# KiCad board CPU.kicad_pcb (continued)
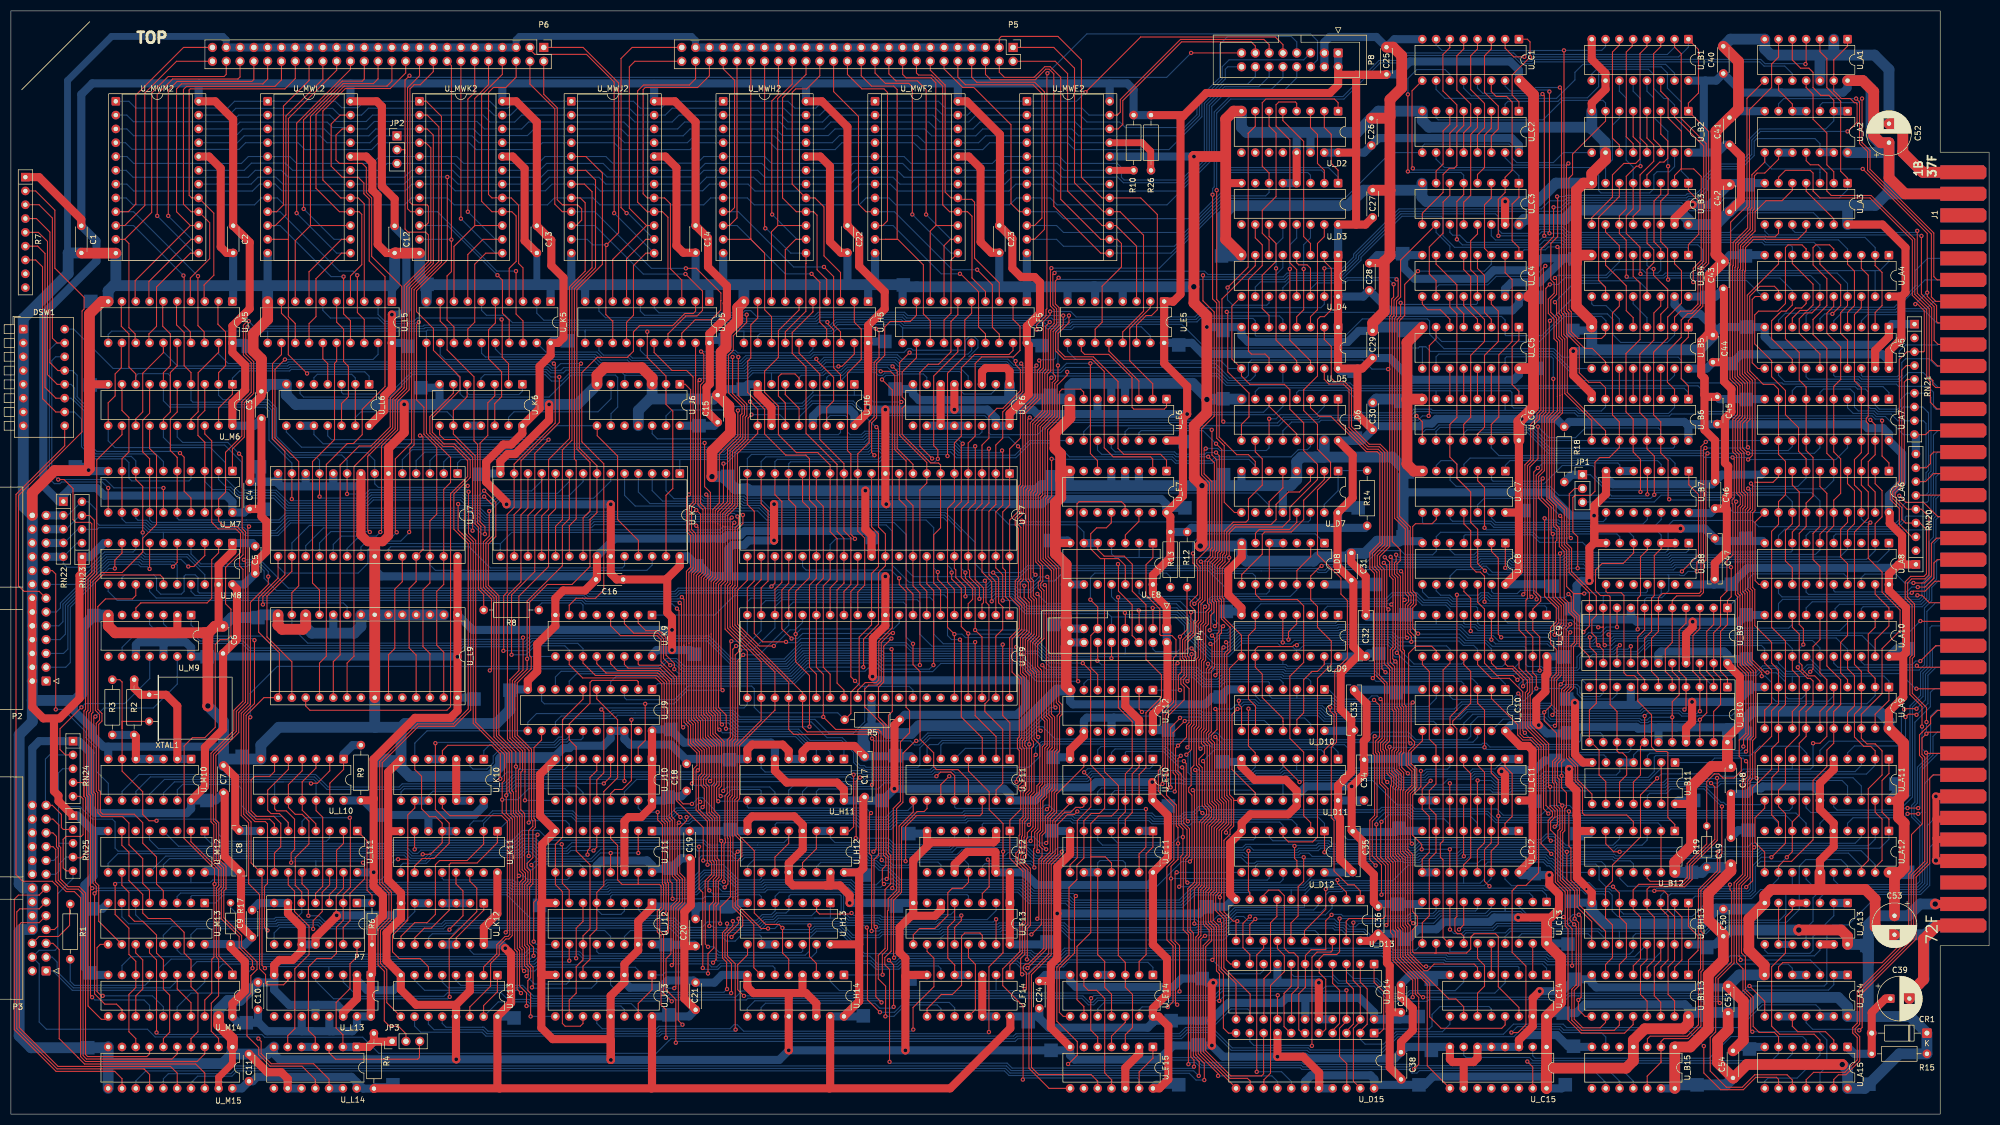
[diagram p0: board, top side]
## Nets (continued)
Address.A_{14}: U_A3.9 U_A7.13 U_B9.6 U_B10.6 U_C4.5 U_C6.12
Address.A_{15}: U_A7.11 U_B9.7 U_B10.7 U_C4.11 U_C6.11 U_C8.3
DataF.D_{0}: P4.12 U_A11.17 U_BL13.12 U_C9.3 U_C13.3 U_D11.12 U_F9.36 U_K7.5
DataF.D_{1}: P4.10 U_A11.13 U_BL13.11 U_C9.4 U_C13.8 U_D11.5 U_F9.37 U_K7.4
DataF.D_{2}: P4.8 U_A11.7 U_BL13.10 U_C9.7 U_C13.7 U_D11.4 U_F9.38 U_K7.3
DataF.D_{3}: P4.6 U_A11.3 U_BL13.9 U_C9.8 U_C13.4 U_F9.39 U_K7.2
DataF.D_{4}: P4.3 U_A12.17 U_BH13.12 U_C9.13 U_C13.13 U_D9.4 U_F7.36 U_J7.5
DataF.D_{5}: P4.5 U_A12.13 U_BH13.11 U_C9.14 U_C13.14 U_D9.5 U_F7.37 U_J7.4
DataF.D_{6}: P4.7 U_A12.7 U_BH13.10 U_C9.17 U_C13.17 U_D9.13 U_F7.38 U_J7.3
DataF.D_{7}: P4.9 U_A12.3 U_BH13.9 U_C9.18 U_C13.18 U_D9.12 U_F7.39 U_J7.2
DataP.D_{0}: U_A4.9 U_A6.9 U_A9.9 U_A11.18 U_BH13.5 U_BL13.5 U_C11.11 U_C12.6 U_D13.12 U_F9.25 U_H14.9 U_M6.3 U_M7.3 U_M7.18
DataP.D_{1}: U_A4.7 U_A6.7 U_A9.7 U_A11.12 U_BH13.6 U_BL13.6 U_C11.12 U_C12.5 U_D13.15 U_F9.24 U_H14.7 U_M6.5 U_M7.5 U_M7.16
DataP.D_{2}: U_A4.5 U_A6.5 U_A9.5 U_A11.8 U_BH13.7 U_BL13.7 U_C11.14 U_C12.3 U_D13.16 U_F9.23 U_H14.5 U_M6.9 U_M7.9 U_M7.12
DataP.D_{3}: U_A4.3 U_A6.3 U_A9.3 U_A11.2 U_BH13.4 U_BL13.4 U_C11.13 U_C12.4 U_D13.19 U_F9.22 U_H14.3 U_M6.7 U_M7.7 U_M7.14
DataP.D_{4}: U_A4.18 U_A6.18 U_A7.3 U_A7.18 U_A9.18 U_A12.18 U_BH13.3 U_BL13.3 U_C11.6 U_C12.11 U_D13.9 U_F7.25 U_M6.14 U_M14.12
DataP.D_{5}: U_A4.16 U_A6.16 U_A7.5 U_A7.16 U_A9.16 U_A12.12 U_BH13.2 U_BL13.2 U_C11.5 U_C12.12 U_D13.6 U_F7.24 U_M6.12 U_M14.14
DataP.D_{6}: U_A4.14 U_A6.14 U_A7.7 U_A7.14 U_A9.14 U_A12.8 U_BH13.1 U_BL13.1 U_C11.3 U_C12.14 U_D13.5 U_F7.23 U_M6.16 U_M14.16
DataP.D_{7}: U_A4.12 U_A6.12 U_A7.9 U_A7.12 U_A9.12 U_A12.2 U_BH13.15 U_BL13.15 U_C11.4 U_C12.13 U_D13.2 U_F7.22 U_M6.18 U_M14.18
FP.RTI: P3.25 RN24.2 RN25.2 U_M9.11
FP.~{ABT}: R1.2 U_M14.7
FP.~{HALT}: P3.1 U_M14.3
FP.~{RUN}: P3.3 U_M14.5 U_M14.17
MW.A6_{0}: U_F7.3 U_F9.3 U_K5.19
MW.A6_{1}: U_F7.2 U_F9.2 U_K5.16
MW.A6_{2}: U_F7.1 U_F9.1 U_K5.12
MW.A6_{3}: U_F6.14 U_H6.14 U_K5.15
MW.A6_{4}: U_F6.2 U_H6.2 U_K5.6
MW.A6_{5}: U_D10.2 U_K5.9
MW.A6_{6}: U_K5.5 U_K6.12
MW.A6_{7}: U_C14.1 U_K5.2
MW.B5_{0}: U_F5.19 U_F7.5 U_F9.5
MW.B5_{1}: U_F5.16 U_F7.7 U_F9.7 U_H6.1 U_J6.13
MW.B5_{2}: U_F5.12 U_F7.6 U_F9.6
MW.B5_{3}: U_F5.15 U_F7.17 U_F9.17 U_F11.13 U_M13.13
MW.B5_{4}: U_F5.6 U_F7.18 U_F9.18 U_F11.1 U_M13.1
MW.B5_{5}: U_F5.9 U_F7.19 U_F9.19 U_F11.2 U_M13.2
MW.B5_{6}: U_F5.5 U_F7.20 U_F9.20 U_F11.3 U_M13.3
MW.B5_{7}: U_F5.2 U_F7.4 U_F9.4
MW.C4_{0}: U_H5.19 U_J6.5 U_K6.4
MW.C4_{1}: U_H5.16 U_J13.1 U_J13.15 U_K13.1 U_K13.15
MW.C4_{2}: U_F7.12 U_F9.12 U_H5.12
MW.C4_{3}: U_F7.13 U_F9.13 U_H5.15
MW.C4_{4}: U_F7.14 U_F9.14 U_H5.6
MW.C4_{5}: U_F7.26 U_F9.26 U_H5.9
MW.C4_{6}: U_F7.28 U_F9.28 U_H5.5
MW.C4_{7}: U_F7.27 U_F9.27 U_H5.2
MW.D3_{0}: U_J10.9 U_L5.19 U_L9.13
MW.D3_{1}: U_L5.16 U_L9.11
MW.D3_{2}: U_L5.12 U_L9.9
MW.D3_{3}: U_L5.15 U_L6.4
MW.D3_{4}: U_J7.26 U_K7.26 U_L5.6 U_L9.26
MW.D3_{5}: U_L5.9 U_L6.1
MW.D3_{6}: U_L5.5 U_L6.12
MW.D3_{7}: U_K6.2 U_L5.2
MW.E2_{0}: U_J12.14 U_K7.13 U_K9.11 U_M5.19 U_M6.17
MW.E2_{1}: U_J12.2 U_K7.11 U_K9.10 U_M5.16 U_M6.15
MW.E2_{2}: U_J11.7 U_K7.9 U_K9.9 U_M5.12 U_M6.11
MW.E2_{3}: U_J11.11 U_K7.7 U_M5.15 U_M6.13
MW.E2_{4}: U_J7.13 U_J11.10 U_J13.14 U_M5.6 U_M6.6
MW.E2_{5}: U_J7.11 U_J10.7 U_J13.2 U_M5.9 U_M6.8
MW.E2_{6}: U_J7.9 U_J10.11 U_K13.14 U_M5.5 U_M6.4
MW.E2_{7}: U_J7.7 U_J10.10 U_K13.2 U_M5.2 U_M6.2
MW.F1_{0}: U_J5.19 U_K11.2 U_K12.8
MW.F1_{1}: U_H13.12 U_J5.16 U_K11.3
MW.F1_{2}: U_H11.1 U_J5.12
MW.F1_{3}: U_H11.2 U_J5.15
MW.F1_{4}: U_H11.3 U_J5.6
MW.F1_{5}: U_E7.1 U_J5.9
MW.F1_{6}: U_E7.2 U_J5.5
MW.F1_{7}: U_J5.2 U_K9.7
MW.H0_{4}: U_E5.10 U_E6.1
MW.H0_{5}: U_E5.2 U_E6.2
MW.H0_{6}: U_E5.12 U_E6.3
MW.H0_{7}: U_E5.15 U_K11.1 U_K12.9
MWS.A_{0}: P8.8 U_K7.18 U_MWE2.8 U_MWF2.8 U_MWH2.8 U_MWJ2.8 U_MWK2.8 U_MWL2.8 U_MWM2.8
MWS.A_{1}: P8.10 U_K7.19 U_MWE2.7 U_MWF2.7 U_MWH2.7 U_MWJ2.7 U_MWK2.7 U_MWL2.7 U_MWM2.7
MWS.A_{2}: P8.12 U_K7.20 U_MWE2.6 U_MWF2.6 U_MWH2.6 U_MWJ2.6 U_MWK2.6 U_MWL2.6 U_MWM2.6
MWS.A_{3}: P8.14 U_K7.21 U_MWE2.5 U_MWF2.5 U_MWH2.5 U_MWJ2.5 U_MWK2.5 U_MWL2.5 U_MWM2.5
MWS.A_{4}: P8.16 U_J7.18 U_MWE2.4 U_MWF2.4 U_MWH2.4 U_MWJ2.4 U_MWK2.4 U_MWL2.4 U_MWM2.4
MWS.A_{5}: P8.5 U_J7.19 U_MWE2.3 U_MWF2.3 U_MWH2.3 U_MWJ2.3 U_MWK2.3 U_MWL2.3 U_MWM2.3
MWS.A_{6}: P8.7 U_J7.20 U_MWE2.2 U_MWF2.2 U_MWH2.2 U_MWJ2.2 U_MWK2.2 U_MWL2.2 U_MWM2.2
MWS.A_{7}: P8.9 U_J7.21 U_MWE2.1 U_MWF2.1 U_MWH2.1 U_MWJ2.1 U_MWK2.1 U_MWL2.1 U_MWM2.1
MWS.A_{8}: P8.11 U_L9.18 U_MWE2.23 U_MWF2.23 U_MWH2.23 U_MWJ2.23 U_MWK2.23 U_MWL2.23 U_MWM2.23
MWS.A_{9}: P8.13 U_L9.19 U_MWE2.22 U_MWF2.22 U_MWH2.22 U_MWJ2.22 U_MWK2.22 U_MWL2.22 U_MWM2.22
MWS.A_{10}: JP2.2 P8.15 U_L9.20
P7_1: P7.1 R6.2 U_L11.1
P7_2: P7.2 U_L11.5 U_L14.4 U_L14.5
P7_3: P7.3 U_L11.2
P7_4: P7.4 U_L10.12 U_M10.11
P7_5: P7.5 R17.1 U_L10.4 U_L10.10
P7_8: P7.8 U_L11.14
P7_13: P7.13 U_L10.2 U_L10.9 U_L11.13 U_M10.12
Res.D_{0}: U_B3.3 U_B4.3 U_B9.15 U_C9.2 U_D15.15
Res.D_{1}: U_B3.13 U_B4.13 U_B9.13 U_C9.5 U_D15.13
Res.D_{2}: U_B3.10 U_B4.6 U_B9.11 U_C9.6 U_D15.11
Res.D_{3}: U_B3.6 U_B4.10 U_B9.9 U_C9.9 U_D15.9
Res.D_{4}: U_B10.15 U_C3.3 U_C4.3 U_C9.12 U_D14.15 U_J10.15
Res.D_{5}: U_B10.13 U_C3.13 U_C4.13 U_C9.15 U_D14.13 U_J11.4 U_J11.15
Res.D_{6}: U_B10.11 U_C3.10 U_C4.6 U_C9.16 U_D14.11 U_J12.4
Res.D_{7}: U_B10.9 U_C3.6 U_C4.10 U_C9.19 U_D14.9 U_J12.12
SEQ.S1_{1}: U_J7.17 U_K6.8
SEQ.S2_{1}: U_K6.6 U_L9.17
SEQ.SH_{0}: U_J7.16 U_K6.3 U_L9.16
SEQ.~{FE}: U_J6.8 U_J7.25 U_K7.25 U_L9.25
SEQ.~{RE}: U_E6.9 U_J7.1 U_K7.1
VERIFY_CR1: C39.1 CR1.2 R15.2 U_A15.1
Net-(J1-Pin_30): J1.30 J1.33 J1.66 J1.67 J1.68 J1.69
Net-(JP1-A): JP1.1 R18.2 U_B7.4
Net-(JP1-B): JP1.3 R19.2 U_B12.12
Net-(JP2-A): JP2.1 R26.2 U_MWE2.21 U_MWF2.21 U_MWH2.21 U_MWJ2.21 U_MWK2.21 U_MWL2.21 U_MWM2.21
Net-(JP2-B): JP2.3 R10.2 U_MWE2.19 U_MWF2.19 U_MWH2.19 U_MWJ2.19 U_MWK2.19 U_MWL2.19 U_MWM2.19
Net-(JP3-C): JP3.2 U_MWE2.18 U_MWF2.18 U_MWH2.18 U_MWJ2.18 U_MWK2.18 U_MWL2.18 U_MWM2.18
Net-(P2-Pin_5): P2.5 U_M8.7
Net-(P2-Pin_7): P2.7 U_M8.5
Net-(P2-Pin_13): P2.13 R7.2
Net-(P3-Pin_4): P3.4 RN24.5 RN25.5 U_L14.12 U_L14.13
Net-(P3-Pin_5): P3.5 U_M15.18
Net-(P3-Pin_6): P3.6 R1.1
Net-(P3-Pin_9): P3.9 U_M15.16
Net-(P3-Pin_11): P3.11 U_M15.14
Net-(P3-Pin_13): P3.13 U_M15.12
Net-(P3-Pin_19): P3.19 U_M15.3
Net-(P3-Pin_21): P3.21 U_M15.5
Net-(P3-Pin_23): P3.23 U_M15.7
Net-(P4-Pin_4): P4.4 R12.2 U_E12.1
Net-(P4-Pin_11): P4.11 R13.2 U_E12.5
Net-(R2-Pad1): R2.1 R3.2 U_M10.3 U_M10.4 U_M10.5
Net-(R2-Pad2): R2.2 U_M10.1 U_M10.2 XTAL1.2
Net-(R8-Pad2): R8.2 U_K6.1 U_K6.5 U_K6.9 U_L6.2 U_L6.5 U_L6.13
Net-(U_A1A-~{S}): U_A1.4 U_D7.9
Net-(U_A1B-C): U_A1.11 U_A3.2
Net-(U_A1B-Q): U_A1.9 U_A2.4 U_A2.5
Net-(U_A1B-~{S}): U_A1.10 U_D7.7 U_F12.4
Net-(U_A2-Pad12): U_A2.12 U_A2.13 U_C10.10
Net-(U_A3-Pad13): U_A3.4 U_A3.13
Net-(U_A10-I2a): U_A9.8 U_A10.6 U_C8.12
Net-(U_A13-Pad1): U_A13.1 U_A13.2 U_A13.8
Net-(U_A13-Pad4): U_A13.4 U_A13.5 U_A15.3 U_A15.8
Net-(U_A13-Pad10): U_A13.6 U_A13.9 U_A13.10
Net-(U_A14-Pad10): U_A14.9 U_A14.10 U_A15.2
Net-(U_A15-Pad9): U_A15.9 U_C10.2
Net-(U_A15-Pad10): U_A15.10 U_B12.10
Net-(U_A15-Pad12): U_A15.12 U_B11.1
Net-(U_B1-CP): U_B1.2 U_B6.2 U_C1.2 U_C6.2 U_D6.4
Net-(U_B1-P0): U_B1.3 U_B2.14
Net-(U_B1-P1): U_B1.4 U_B2.13
Net-(U_B1-P2): U_B1.5 U_B2.12
Net-(U_B1-P3): U_B1.6 U_B2.11
Net-(U_B1-~{CEP}): U_B1.7 U_B6.7 U_C1.7 U_C6.7 U_D6.7
Net-(U_B1-~{TC}): U_B1.15 U_C1.10
Net-(U_B2-CP): U_B2.2 U_B5.2 U_C2.2 U_C5.2 U_D6.9
Net-(U_B2-P0): U_B2.3 U_B3.4
Net-(U_B2-P1): U_B2.4 U_B3.12
Net-(U_B2-P2): U_B2.5 U_B3.9
Net-(U_B2-P3): U_B2.6 U_B3.7
Net-(U_B2-~{CEP}): U_B2.7 U_B5.7 U_C2.7 U_C5.7 U_D6.12
Net-(U_B2-~{TC}): U_B2.15 U_C2.10
Net-(U_B4-Za): U_B4.4 U_B5.3
Net-(U_B4-Zb): U_B4.7 U_B5.5
Net-(U_B4-Zc): U_B4.9 U_B5.6
Net-(U_B4-Zd): U_B4.12 U_B5.4
Net-(U_B5-Q0): U_B5.14 U_B6.3
Net-(U_B5-Q1): U_B5.13 U_B6.4
Net-(U_B5-Q2): U_B5.12 U_B6.5
Net-(U_B5-Q3): U_B5.11 U_B6.6
Net-(U_B5-~{CET}): U_B5.10 U_C2.15
Net-(U_B5-~{TC}): U_B5.15 U_C5.10
Net-(U_B6-~{CET}): U_B6.10 U_C1.15
Net-(U_B6-~{TC}): U_B6.15 U_C6.10
Net-(U_B7-Pad1): U_B7.1 U_C8.10
Net-(U_B7-Pad2): U_B7.2 U_C7.4
Net-(U_B7-Pad3): U_B7.3 U_C7.1
Net-(U_B7-Pad5): U_B7.5 U_B7.6 U_C8.8
Net-(U_B7-Pad11): U_B7.11 U_C7.13
Net-(U_B7-Pad12): U_B7.12 U_C7.10
Net-(U_B11-Pad8): U_B11.8 U_C8.13
Net-(U_B12-Pad5): U_B12.5 U_E8.13
Net-(U_B12-Pad13): U_B7.8 U_B12.2 U_B12.13 U_C10.11
Net-(U_B15A-D): U_B11.12 U_B15.2 U_B15.12
Net-(U_B15B-Q): U_B15.9 U_E10.5
Net-(U_C1-P0): U_C1.3 U_C2.14
Net-(U_C1-P1): U_C1.4 U_C2.13
Net-(U_C1-P2): U_C1.5 U_C2.12
Net-(U_C1-P3): U_C1.6 U_C2.11
Net-(U_C2-P0): U_C2.3 U_C3.4
Net-(U_C2-P1): U_C2.4 U_C3.12
Net-(U_C2-P2): U_C2.5 U_C3.9
Net-(U_C2-P3): U_C2.6 U_C3.7
Net-(U_C4-Za): U_C4.4 U_C5.3
Net-(U_C4-Zb): U_C4.7 U_C5.5
Net-(U_C4-Zc): U_C4.9 U_C5.6
Net-(U_C4-Zd): U_C4.12 U_C5.4
Net-(U_C5-Q0): U_C5.14 U_C6.3
Net-(U_C5-Q1): U_C5.13 U_C6.4
Net-(U_C5-Q2): U_C5.12 U_C6.5
Net-(U_C5-Q3): U_C5.11 U_C6.6
Net-(U_C5-~{TC}): U_C5.15 U_C10.13
Net-(U_C10-Pad6): U_C10.6 U_D10.8
Net-(U_C10-Pad8): U_C10.8 U_D12.5
Net-(U_C13-Q1): U_C13.5 U_D14.21 U_D15.21
Net-(U_C13-Q2): U_C13.6 U_D14.5 U_D15.5
Net-(U_C13-Q3): U_C13.9 U_D14.6 U_D15.6
Net-(U_C13-Q4): U_C13.12 U_C14.14 U_D10.6
Net-(U_C13-Q5): U_C13.15 U_C14.11
Net-(U_C13-Q6): U_C13.16 U_C14.5
Net-(U_C13-Q7): U_C13.19 U_C14.2
Net-(U_C14-Za): U_C14.4 U_D14.4 U_D15.4
Net-(U_C14-Zb): U_C14.7 U_D14.3 U_D15.3
Net-(U_C14-Zc): U_C14.9 U_D14.2 U_D15.2
Net-(U_C14-Zd): U_C14.12 U_D14.1 U_D15.1
Net-(U_C15-CP): U_A15.4 U_C15.2
Net-(U_C15-~{PE}): U_B11.6 U_C10.3 U_C15.9 U_D6.10
Net-(U_C15-~{TC}): U_A15.5 U_C15.15
Net-(U_D6-I1a): U_C10.4 U_D6.3 U_F12.12
Net-(U_D7A-M): R14.1 U_D7.1 U_D7.15
Net-(U_D7A-~{S1}): U_D7.2 U_D8.8
Net-(U_D7A-~{S2}): U_D7.3 U_D12.6
Net-(U_D7B-~{S1}): U_D7.13 U_D8.6
Net-(U_D10-Pad10): U_D10.10 U_E10.11
Net-(U_D10-Pad13): U_D10.13 U_E10.10
Net-(U_D12-Pad3): U_D12.3 U_E10.4
Net-(U_D12-Pad11): U_D12.11 U_E10.3
Net-(U_D13-D0): U_D13.3 U_D14.10
Net-(U_D13-D1): U_D13.4 U_D14.12
Net-(U_D13-D2): U_D13.7 U_D14.14
Net-(U_D13-D3): U_D13.8 U_D14.16
Net-(U_D13-D4): U_D13.13 U_D15.16
Net-(U_D13-D5): U_D13.14 U_D15.14
Net-(U_D13-D6): U_D13.17 U_D15.12
Net-(U_D13-D7): U_D13.18 U_D15.10
Net-(U_D14-A7): U_D10.1 U_D14.7 U_D15.7
Net-(U_E7-O1): U_E7.14 U_E8.3
Net-(U_E10-Pad1): U_E10.1 U_E11.8
Net-(U_E11-Pad1): U_E11.1 U_E11.2 U_E14.2
Net-(U_E11-Pad10): U_E11.9 U_E11.10 U_E11.12 U_E14.11
Net-(U_E14-Pad4): U_E14.4 U_E14.5
Net-(U_E14-Pad13): U_E8.1 U_E14.13
Net-(U_E15A-~{S}): U_E14.12 U_E15.4
Net-(U_E15B-C): U_E14.6 U_E15.11
Net-(U_F7-Q0): U_F7.21 U_F9.16
Net-(U_F7-RAM0): U_F7.9 U_F9.8
Net-(U_F13-D0): U_B12.8 U_F13.3
Net-(U_F13-D4): U_F13.13 U_F14.11
Net-(U_F13-D5): U_F13.14 U_F14.8
Net-(U_F13-Q0): U_F13.2 U_H13.4 U_K13.5
Net-(U_F13-Q1): U_F13.5 U_F14.4 U_F14.5 U_H13.2 U_K13.4
Net-(U_F13-Q3): U_F13.10 U_K13.12
Net-(U_F13-Q4): U_F13.12 U_H13.5 U_K13.11
Net-(U_F14-Pad12): U_F14.3 U_F14.12 U_F14.13
Net-(U_H6-OEb): U_H6.15 U_J6.12
Net-(U_H12A-Y): U_E10.2 U_E11.3 U_H12.6
Net-(U_H12B-Y): U_E8.5 U_E8.6 U_E10.13 U_H12.10 U_J6.1 U_K10.4 U_K10.5
Net-(U_H12B-~{S2}): U_E14.8 U_H12.14
Net-(U_H13-Pad10): U_H13.9 U_H13.10 U_K12.10
Net-(U_J6-Pad6): U_J6.6 U_K6.13
Net-(U_J6-Pad9): U_J6.9 U_L6.6
Net-(U_J7-C_{n+4}): U_J7.24 U_L9.23
Net-(U_J7-C_{n}): U_J7.23 U_K7.24
Net-(U_J10-I1): U_J10.3 U_K10.8
Net-(U_J10-Z): U_J10.5 U_M12.13
Net-(U_J11-Z): U_J11.5 U_M12.12
Net-(U_J12-I3b): U_J12.13 U_K10.11
Net-(U_J12-Za): U_J12.7 U_M12.5
Net-(U_J12-Zb): U_J12.9 U_M12.4
Net-(U_K6-Pad10): U_K6.10 U_K6.11
Net-(U_K9-~{Z}): R8.1 U_K9.6
Net-(U_K10-Pad12): U_K10.3 U_K10.12 U_K10.13
Net-(U_K12-Pad1): U_K12.1 U_K12.11 U_K12.12
Net-(U_K12-Pad2): U_K12.2 U_K12.3 U_K12.4
Net-(U_L10A-C): U_L10.3 U_L10.11 U_L11.4
Net-(U_L10A-Q): U_L10.5 U_L11.6 U_M10.13
Net-(U_L10A-~{Q}): U_L10.6 U_L11.10
Net-(U_L10A-~{R}): R9.1 U_L10.1 U_L10.13
Net-(U_L11-I1a): R3.1 U_L11.3 U_M10.6 XTAL1.1
Net-(U_L13A-~{Q}): U_L13.7 U_M8.4
Net-(U_M8-I0a): U_M8.2 U_M9.5
Net-(U_M13-Q0): U_M8.13 U_M13.4
Net-(U_M13-Q1): U_M8.15 U_M13.5
Net-(U_M13-Q4): U_M13.9 U_M14.15
Net-(U_M13-Q6): U_M13.11 U_M14.13

Pads without a net: J1 3 4 34 40 41; P2 1; P3 2; P7 9 12; R7 8 9; RN20 2; RN21 2; U_A8 3; U_A11 10; U_A12 10; U_B7 9 10 13; U_B8 9 10 13; U_B15 5 8; U_C6 15; U_C15 11 12 13 14; U_D2 9 10 11 12; U_D3 7 9; U_D7 6 10; U_D8 3 11; U_D9 3 6 11 14; U_D11 3 6 11 14 15; U_E5 5 7; U_E6 15; U_E7 7 9 10 11 15; U_E8 10; U_E12 4 8 10 12; U_E15 6 9; U_F6 9; U_F7 32 35; U_F9 31 32 34 35; U_F12 6 8; U_F13 7; U_H11 15; U_H12 7; U_H13 3 11; U_H14 11 13; U_J6 4 10; U_J9 16 19; U_J10 6; U_J11 6; U_K9 5; U_K11 11 15; U_L9 21 24; U_L10 8; U_L13 6 9 10; U_L14 8; U_M9 6 8; U_M12 3 6 11 14; U_M15 9

## Via types
v1: diameter 0.8, hole 0.4, Top to Bottom, 702 vias
v2: diameter 1.5, hole 0.7, Top to Bottom, 53 vias
v3: diameter 2, hole 1, Top to Bottom, 9 vias
v4: diameter 2, hole 0.7, Top to Bottom, 1 via
v5: diameter 1.5, hole 0.8, Top to Bottom, 1 via

## Routing (per net, layer and track width the routed paths; a pad name or vN(x,y) marks a point on that pad's centre or on a via; arc(x,y) is an arc through that point)
+5V: length 4579.7
  Top w1.5: U_H11.16 153.29,59.75 152.02,61.01 142.75,61.01 140.59,63.18 U_H11.6 ; U_K11.16 89.52,36.87 87.02,34.37 U_K12.14 ; C3.1 46.1,109.95 46.99,109.06 46.99,103.49 44.96,101.46 C5.1 ; U_J11.14 U_J11.3 112.89,53.88 113.67,54.66 115.97,54.66 117.97,56.66 U_J10.16 U_J10.1 U_J9.20 ; v2(161.08,112.24) 160.91,112.41 v2(160.91,129.63) ; U_A5.20 345.56,140.38 347.86,142.67 347.86,150.04 347.46,150.44 U_A4.20 ; P4.2 212.81,86.66 212.81,76.25 210.14,73.57 U_E12.14 ; C7.1 39.35,58.91 39.35,47.38 42.04,44.69 ; C17.1 156.85,58.1 156.85,45.27 156.09,44.5 ; C42.1 316.23,166.17 318.34,168.27 318.34,176.25 C41.1 ; U_C8.14 277.48,99.95 277.48,110.78 ; P4.1 212.68,93.32 210.14,95.86 U_E8.14 210.14,99.19 213.34,102.39 R13.1 213.34,109.93 212.64,110.63 U_E7.16 215.67,113.73 215.67,128.05 v2(216.44,128.81) 216.44,133.91 212.21,138.14 U_E5.16 U_E5.1 213.79,149.53 213.85,149.48 215.22,150.85 215.22,183.21 215.83,183.82 ; v2(110.38,112.21) U_K7.23 110.38,99.48 111.48,98.37 C16.1 120.73,98.37 ; 156.09,44.5 156.09,36.25 ; 156.09,44.5 156.06,44.47 U_H12.16 ; C33.1 247.08,70.66 246.64,70.66 ; 150.62,4.74 172.84,4.74 183.91,15.81 183.91,17.9 U_F14.14 ; 150.62,4.74 150.75,4.87 U_H14.15 ; 150.62,4.74 117.85,4.74 ; v2(158.54,80.51) 158.59,80.56 158.59,87.46 158.68,87.55 158.68,87.63 160.91,89.85 160.91,91.83 ; U_MWF2.24 175.9,186.36 181.99,180.26 181.99,163.62 C23.1 184.28,161.09 184.28,155.63 185.88,154.03 188.37,154.03 189.36,153.04 189.36,147.39 186.94,144.97 U_F5.20 187.3,141.54 187.3,132.44 183.77,128.91 U_F6.16 ; U_M14.20 40.77,20.37 43.06,22.66 43.06,28.05 40.41,30.69 R17.2 40.52,31.17 ; 89.93,4.74 117.85,4.74 ; 89.93,4.74 66.84,4.74 R4.1 ; 89.93,4.74 89.52,5.15 U_K13.16 92.04,20.47 92.04,29.42 91.62,29.85 91.62,29.87 v2(90.96,30.53) ; 117.85,4.74 117.97,4.86 U_J13.16 ; v2(140.43,105.55) v2(140.43,112.24) ; C27.1 249.25,163.68 247.53,163.68 ; U_H14.16 156.09,20.78 156.09,36.25 ; U_L6.14 68.7,129.44 68.7,132.18 70.1,133.58 U_L5.20 ; J1.35 v3(354.08,38.66) ; U_A6.20 345.71,110.55 345.71,108.71 347.98,106.44 347.98,101.27 347.86,101.14 ; 156.09,36.25 156.09,31.23 U_H13.14 ; C15.1 128,129.36 128,133.72 128.6,134.31 128.6,141.83 U_J5.20 128.52,143.58 131.73,146.79 131.73,149.21 131.75,149.23 131.75,152.4 128.27,155.88 128.27,161.22 C14.1 125.99,182.55 122.18,186.36 U_MWJ2.24 ; U_MWK2.24 92.97,186.36 96.78,182.55 C13.1 99.44,160.8 99.44,156.13 101.68,153.9 101.68,142.87 100.7,141.9 U_K5.20 99.31,139.62 97.28,137.59 97.28,129.84 U_K6.14 94.11,125.26 92.05,123.2 90.6,123.2 90.6,123.14 87.45,119.99 87.45,116.33 91.21,112.57 v2(91.21,112.21) ; C21.1 123.92,21.27 123.92,33.82 ; 277.48,110.78 U_C6.16 ; 277.48,110.78 277.4,110.7 U_C7.14 ; 244.22,191.19 P8.2 ; 244.22,191.19 244.27,191.24 253.04,191.24 ; 244.22,191.19 244.22,189.41 242.7,187.88 219.94,187.88 215.73,183.67 215.62,183.67 ; 347.14,57.68 345.6,57.68 U_A11.20 ; 255.91,6.4 253.71,8.6 253.71,20.5 ; 315.6,111.43 315.74,111.28 315.74,103.57 313.52,101.35 C47.1 ; 315.6,111.43 C46.1 ; 315.6,111.43 315.6,113.47 315.99,113.86 315.99,119.22 315.39,119.82 315.39,127.98 316.6,129.19 316.6,133.44 315.22,134.82 315.22,151.73 C43.1 ; U_E15.14 211.32,4.74 212.98,6.4 212.98,16.18 211.18,17.99 U_E14.14 210.14,19.47 212.73,22.06 212.73,28.63 210.12,31.23 210.14,31.24 U_E11.14 212.89,47.23 212.89,54.97 U_E10.14 210.03,57.83 v2(210.03,61.1) ; U_B11.14 308.99,57.07 ; U_B9.22 315.85,82.77 318.14,80.49 318.14,71.52 315.85,69.23 U_B10.22 ; U_H6.16 157.73,129.2 U_H5.20 157.73,145.1 160.78,148.15 160.78,151.31 156.09,156.01 156.09,161.34 C22.1 153.93,181.66 149.23,186.36 U_MWH2.24 ; 348.2,84.4 348.2,84.38 348.03,84.21 U_A10.20 ; 348.2,84.4 348.2,76.72 345.56,74.09 U_A9.20 ; 348.2,84.4 348.71,84.9 348.71,93.21 345.56,96.36 U_A8.20 345.56,99.36 347.35,101.14 RN20.1 ; C30.1 247.78,128.7 247.78,137.19 ; v2(160.91,98.94) 160.91,91.84 ; C20.1 124.08,30.91 123.92,31.07 123.92,33.82 ; 347.86,150.42 348.62,151.18 348.62,159.44 344.37,163.68 U_A3.14 ; 247.53,176.96 247.53,191.24 253.04,191.24 ; 247.53,176.96 247.49,176.93 244.21,176.93 ; 247.53,176.96 247.53,163.68 ; 123.92,33.82 123.92,37.23 125.11,38.42 125.11,46.85 C19.1 ; v2(70.11,147.12) 70.11,141.9 ; R7.1 5.2,172.41 12.96,164.64 C1.1 ; v2(121.65,85.4) v2(121.65,89.09) 121.65,91.38 120.78,92.25 120.78,98.58 123.08,100.88 U_K7.28 ; v2(162.58,59.87) 162.58,71.57 R5.1 ; 253.71,20.5 253.71,18.85 253.84,18.72 C37.1 ; 253.71,20.5 253.71,27.31 253.2,27.81 253.2,31.58 C36.1 250.27,31.88 U_D13.20 ; U_MWL2.24 67.32,186.36 68.26,185.41 68.26,170.73 70.62,168.38 C12.1 ; v2(173.61,129.63) U_F6.5 ; 66.73,58.1 66.76,58.07 v2(66.76,44.5) 66.76,42.9 66.73,42.87 66.73,41.95 67.56,41.13 67.56,41.11 68.46,40.21 68.46,36.46 66.45,34.46 66.45,34.25 66.45,34.25 R6.1 66.45,25.83 U_L13.1 U_L13.16 ; 66.73,58.1 66.73,65.29 74.35,72.91 80.86,72.91 82.19,74.23 U_L9.28 U_L9.1 U_J7.28 ; 66.73,58.1 66.36,57.73 R9.2 ; 253.04,191.24 C25.1 ; 215.22,123.94 U_E6.16 ; C9.1 42.34,34.58 42.34,44.38 C8.1 ; C45.1 315.39,126.97 ; 247.53,163.68 U_D3.16 ; U_F12.10 173.66,45.96 175.95,48.25 181.1,48.25 181.17,48.18 181.17,44.59 181.28,44.47 ; U_D4.1 U_D4.16 U_D5.1 U_D5.16 248.65,137.19 C29.1 ; 315.22,138.35 C44.1 ; U_M8.20 41.6,96.62 41.6,87.32 C6.1 39.04,70.82 35.71,67.49 35.71,60.26 U_M10.14 ; R26.1 215.57,183.82 ; U_C9.20 282.71,84.08 282.71,81.03 282.35,80.67 282.35,77.75 280.67,76.06 280.67,72.03 v2(281.12,71.57) ; 284.26,37.1 283.33,36.17 v2(277.33,36.17) ; C35.1 244.57,46.87 244.57,54.48 244.21,54.84 U_D11.16 244.21,60.51 246.64,62.94 246.64,72.51 244.69,74.45 244.69,81.16 247.78,84.25 C32.1 248.8,84.25 247.02,86.03 247.02,97.91 244.1,100.83 244.1,110.59 U_D7.16 246.89,113.38 246.89,121.26 U_D6.16 ; 45.72,111.35 C4.1 ; v2(283.08,43.99) 283.08,42.23 284.86,40.44 284.86,37.7 283.44,36.28 ; U_C11.16 279.7,57.72 ; U_C12.16 280,47.01 280,66.95 279.2,67.74 277.73,67.74 274.96,70.51 U_C10.14 ; U_F12.14 U_F13.1 U_F13.16 ; U_MWM2.24 37.6,186.36 40.9,183.06 C2.1 43.94,160.41 43.94,148.18 40.77,145 U_M5.20 40.77,140.15 43.12,137.8 43.12,133.26 40.77,130.9 U_M6.20
  Top w2: 347.58,44.47 346.59,43.49 C53.1 ; 347.58,44.47 U_A12.20 ; 347.58,44.47 348.36,45.26 348.36,53.54 347.33,54.57 347.33,57.5 347.14,57.68 348.26,58.8 348.26,68.27 U_A9.20 ; C51.1 315.98,15.51 314.03,13.56 314.03,9.49 C54.1 316.95,6.66 319.43,9.13 v3(336.98,9.13) ; 280.17,137.19 277.58,137.19 ; 280.17,137.19 280.17,151.33 ; 280.17,137.19 280.17,130.11 v2(277.97,127.92) 277.48,127.42 U_C6.16 ; 282.57,35.41 U_C13.20 285.16,28.82 285.16,20.58 U_C14.16 U_C15.1 U_C15.16 282.53,4.78 282.53,8.46 297.21,8.46 298.54,9.79 U_B15.4 298.54,13.6 300.64,15.7 307.7,15.7 308.66,16.66 U_BL13.16 ; U_B15.14 U_B15.1 309,12.36 312.33,15.69 312.33,25.62 315.09,28.38 C50.1 315.09,32.98 312.33,35.75 312.33,40.58 316.49,44.74 C49.1 ; U_B10.22 315.85,64.69 ; C48.1 316.46,63.96 312.9,63.96 309.25,60.31 309.25,49.45 306.16,46.37 U_B12.14 ; 280.17,151.33 279.28,150.44 ; 280.17,151.33 280.17,187.58 277.58,190.17 ; U_A1.14 340.74,190.17 342.76,188.16 342.76,180.03 344.05,178.74 C52.1 345.57,172.29 348.52,169.34 J1.2 ; v3(328.98,33.88) 328.98,33.88 336.76,33.88 337.95,32.69 U_A13.14
  Bottom w1.5: 210.14,16.87 209.17,15.91 191.01,15.91 189.23,17.68 ; 210.14,16.87 210.46,17.2 +5V#21.1 220.78,17.2 224.05,20.47 233.76,20.47 234.69,21.39 248.16,21.39 250.83,18.72 U_D14.22 251.42,17.45 ; 210.14,16.87 U_E14.14 ; v2(91.21,112.21) v2(110.38,112.21) ; 306.45,71.17 303.28,71.17 303.15,71.04 U_B10.17 ; 306.45,71.17 318.82,71.17 ; 306.45,71.17 301.91,71.17 301.68,70.94 299.4,70.94 299.08,71.26 287.96,71.26 286.75,70.05 282.64,70.05 v2(281.12,71.57) 276.01,71.57 U_C10.14 ; v2(66.76,44.5) 66.58,44.5 66.55,44.48 66.34,44.48 U_L11.16 ; 174.24,189.64 U_MWF2.24 ; U_M8.20 42.92,97.46 C5.1 ; 45.6,16.81 +5V#15.1 41.81,16.81 40.77,17.86 U_M14.20 ; 45.6,16.81 47.16,15.25 55.34,15.25 ; 45.6,16.81 45.47,16.94 45.47,19.1 ; P8.2 P8.1 ; 189.23,17.68 188.93,17.99 U_F14.14 ; 189.23,17.68 C24.1 ; U_H11.6 140.59,67.62 139.85,68.36 123.85,68.36 +5V#42.1 118.24,70.79 U_J9.20 ; R14.2 249.18,107.87 243.33,107.87 ; 243.33,107.87 217.2,107.87 R12.1 R13.1 ; 243.33,107.87 244.22,107.87 244.21,107.89 U_D7.16 245.07,111.56 +5V#11.1 ; U_B9.22 315.85,84.51 315.22,85.14 303.66,85.14 303.15,84.63 U_B9.17 ; 311.5,176.93 308.66,176.93 ; 311.5,176.93 311.5,189.88 311.79,190.17 ; 311.5,176.93 314,176.93 315.43,178.36 C41.1 ; C20.1 125.73,31.17 +5V#67.1 ; v2(140.43,105.55) 135.76,105.55 134.95,104.74 132.79,104.74 131.99,103.94 131.99,98.95 ; 257.42,32.55 257.45,32.55 258.92,34.02 262.3,34.02 263.65,35.38 272.15,35.38 272.94,36.17 v2(277.33,36.17) ; +5V#59.1 280.66,150.44 U_C4.16 277.48,149.09 276.27,147.88 253.65,147.88 C28.1 248.84,150.44 U_D4.16 ; U_C9.20 286.18,84.21 ; U_M12.16 35.88,44.69 C8.1 ; U_K12.14 90.3,31.19 v2(90.96,30.53) ; +5V#19.1 211.16,56.69 U_E10.14 ; U_C8.14 275.02,97.49 283.26,97.49 +5V#6.1 ; 250.89,4.74 250.89,5.38 ; 250.89,5.38 250.89,6.43 250.19,7.13 239.24,7.13 238.19,6.08 238.19,4.74 ; 250.89,5.38 +5V#5.1 260.14,5.38 261.66,6.91 281.82,6.91 282.56,6.16 U_C15.16 285.34,4.74 +5V#26.1 ; +5V#24.1 158,142.16 U_H5.20 ; 311.79,190.17 313.78,190.17 C40.1 318.61,187.96 325.75,187.96 325.75,187.96 337.12,187.96 337.95,188.8 U_A1.14 ; 311.79,190.17 U_B1.16 ; 156.75,17.99 U_H14.16 U_H14.15 ; 40.52,31.17 42.99,31.17 C9.1 ; +5V#32.1 69.85,4.95 67.05,4.95 R4.1 64.82,4.7 63.64,5.89 ; 251.42,17.45 258.45,17.45 +5V#3.1 ; 251.42,17.45 255.65,17.45 255.78,17.58 C37.1 ; 310.01,126.92 340.96,126.92 341.69,126.2 344.52,126.2 345.56,125.15 U_A7.20 347.98,121.53 347.98,116.27 345.56,113.86 U_A6.20 ; 310.01,126.92 308.96,126.92 308.66,126.63 U_B6.16 ; 310.01,126.92 308.36,126.92 307.92,127.37 286.73,127.37 R18.1 284.38,127.92 v2(277.97,127.92) 262.29,127.92 261.43,127.06 259.87,127.06 259.39,126.58 251.25,126.58 C30.1 248.61,123.94 U_D6.16 ; +5V#44.1 129.09,142.47 U_J5.20 ; U_H12.16 153.35,44.5 156.72,44.5 +5V#51.1 ; 251.02,97.53 250.95,97.46 246.64,97.46 246.66,97.49 C31.1 ; U_C7.14 278.04,110.7 +5V#7.1 ; +5V#31.1 160.42,57.71 v2(162.58,59.87) 182.76,59.87 183.82,58.81 U_F11.16 188.48,57.72 190.88,60.12 198.74,60.12 199.71,61.1 v2(210.03,61.1) ; U_C1.16 277.48,192.08 275.87,193.7 257.42,193.7 255.04,191.31 C25.1 ; U_M9.10 23.01,86.35 23.47,86.82 28.55,86.82 ; U_K9.16 117.97,84.49 118.88,85.4 v2(121.65,85.4) 124.97,85.4 +5V#36.1 ; v2(157.73,130.05) 158.16,129.63 v2(160.91,129.63) 173.61,129.63 v2(173.61,129.63) 179.67,129.63 181.23,128.07 U_F6.15 U_F6.16 183.77,128.82 184.53,129.58 188.05,129.58 188.82,128.81 v2(216.44,128.81) ; +5V#13.1 345.59,44.5 U_A12.20 ; U_E11.14 210.14,42.93 209.37,42.16 188.73,42.16 186.68,44.21 186.57,44.21 186.3,44.47 U_F12.14 181.28,44.47 ; C4.1 46.55,111.35 +5V#55.1 ; U_B7.14 308.86,110.59 312.72,110.59 C46.1 ; 59.35,15.25 62.83,15.25 63.69,16.11 U_L13.15 U_L13.16 ; 59.35,15.25 58.61,15.25 U_L13.13 ; 59.35,15.25 55.34,15.25 ; U_MWK2.24 90.42,189.66 ; U_D10.14 247.07,70.53 C33.1 ; 316.61,83.74 +5V#40.1 ; U_MWM2.24 34.55,189.61 ; 277.48,176.93 277.48,178.25 276.14,179.59 251.67,179.59 249,176.93 241.67,176.93 ; U_D5.16 244.7,136.7 +5V#46.1 ; +5V#18.1 72.4,141.9 U_L5.20 ; +5V#49.1 318.31,139.8 344.38,139.8 345.56,138.61 U_A5.20 ; C35.1 246.82,44.47 U_D12.14 ; U_MWJ2.24 118.36,189.59 ; 212.64,111.56 212.64,112.18 211.63,113.19 190.66,113.19 189.71,112.24 v2(161.08,112.24) v2(140.43,112.24) ; 212.64,111.56 +5V#56.1 ; 212.64,111.56 U_E7.16 ; J1.35 v3(354.08,38.66) ; C50.1 313.59,31.23 U_BH13.16 ; U_F5.20 189.73,141.9 ; v2(283.08,43.99) 277.94,43.99 U_C12.16 ; 63.64,5.89 U_L14.14 ; 63.64,5.89 62.67,6.86 45.29,6.86 44.49,6.06 C11.1 42.5,4.74 U_M15.20 ; U_E12.14 210.4,70.66 +5V#62.1 ; U_B4.16 313.67,150.44 C43.1 ; 28.55,86.82 28.09,86.35 U_M9.12 ; 28.55,86.82 32.21,86.82 33.16,85.86 U_M9.14 38.93,84.21 ; U_J10.16 120.28,57.72 +5V#41.1 121.05,58.49 123.36,58.49 C18.1 ; R5.1 164.48,73.47 185.09,73.47 186.77,75.15 186.77,79.22 186.17,79.82 159.23,79.82 v2(158.54,80.51) ; U_C14.16 283.17,18.59 +5V#58.1 287.98,18.59 289.6,20.21 308.02,20.21 308.66,19.56 U_BL13.16 ; C21.1 124.77,17.99 U_J13.16 ; 313.36,97.46 316.51,97.46 +5V#53.1 319.56,100.51 346.71,100.51 347.35,101.14 RN20.1 ; 313.36,97.46 U_B8.14 ; 313.36,97.46 313.52,97.61 C47.1 ; U_J12.16 120.46,31.23 ; U_C13.20 286.4,31.41 ; C15.1 129.42,126.67 U_J6.14 ; R26.1 R10.1 206.58,188.49 205.41,189.66 14.99,189.66 12.96,187.63 C1.1 15.75,160.67 15.75,156.96 5.97,147.18 5.97,115.62 8.87,112.72 RN22.1 9.66,113.84 11.02,115.21 15.78,115.21 17.18,113.81 39.66,113.81 40.77,112.7 U_M7.20 42.9,110.7 43.55,111.35 ; 199.94,128.97 U_E6.6 ; v2(70.11,147.12) 71.89,147.12 72.77,148.01 72.77,161.05 70.62,163.21 C12.1 ; U_K11.6 76.82,55.03 76.84,55.04 ; U_B5.16 312.02,137.19 C44.1 316.36,138.35 ; U_J11.12 107.81,45.76 108.7,46.64 113.27,46.64 ; U_E15.14 210.81,5.41 +5V#25.1 ; U_M5.20 43.06,141.91 +5V#35.1 ; v2(160.91,98.94) 160.91,98.95 131.99,98.95 ; 280.78,137.19 U_C5.16 277.48,136.06 276.53,135.11 257.75,135.11 253.75,139.12 C29.1 249.82,139.87 219.34,139.87 217.3,141.91 U_E5.16 ; 157.1,57.68 C17.1 ; U_B15.13 U_B15.14 ; 146.3,189.59 U_MWH2.24 ; U_M13.16 35.73,31.29 40.77,31.29 ; 55.34,15.25 53.53,15.25 U_L13.11 ; 131.99,98.95 128.78,98.95 126.84,100.89 +5V#57.1 124.5,102.63 U_K7.28 ; U_H6.13 147.57,128.42 148.81,129.66 154.33,129.66 155.19,128.79 U_H6.16 ; 113.27,46.64 116.95,46.64 116.97,46.66 117.1,46.66 117.97,45.79 U_J11.16 118.63,45.14 121.41,45.14 123.35,47.07 C19.1 ; 113.27,46.64 112.89,46.26 U_J11.14 ; U_L9.28 84.96,76.64 ; v2(82.17,84.15) 82.12,84.2 39.04,84.2 C6.1 ; U_C11.16 280.03,57.72 ; U_D3.16 U_D4.1 ; U_A10.20 347,85.65 +5V#14.1 ; 202.18,189.66 U_MWE2.24 ; +5V#2.1 255.41,33.19 251.6,33.19 ; U_K13.16 92.34,17.95 ; C7.1 37.69,57.72 U_M10.14 33.16,56.17 32.37,55.38 15.49,55.38 14.61,56.26 14.61,66.52 12.5,68.63 RN24.1 5.21,68.63 3.94,67.36 P3.26 P3.16 ; 61.22,57.72 64.38,57.72 R9.2 64.87,57.73 67.57,55.04 85.35,55.04 87.02,56.72 U_K10.14 ; U_D8.14 246.63,97.46 ; +5V#22.1 190.18,31.23 U_F13.16 ; C3.1 44.78,126.67 U_M6.20 ; 255.78,5.38 C38.1 ; U_E6.16 215.2,123.94 ; C34.1 248.99,57.72 U_D11.16 ; U_D14.17 238.19,17.51 238.19,21.19 ; U_H11.16 156.48,57.72 156.51,57.68 160.28,57.68 ; U_A11.20 346.84,59 +5V#47.1 ; U_B11.14 306.83,57.71 +5V#20.1 ; U_D9.16 249.26,84.21 C32.1 249.81,84.76 +5V#39.1 ; P4.2 P4.1 ; U_L9.1 84.97,89.1 v2(121.65,89.1) ; U_K5.20 99.71,142.29 +5V#45.1 ; U_MWL2.24 62.48,189.66